# Altium PCB Layout.PcbDoc (part 4 of 4)
Units mil, origin at the board's own origin, x right, y up, seen from the top; angles counter-clockwise.
Board outline 11008.03 x 7942.91 mil, 4 copper layers (Top Layer, Mid 1, Mid 2, Bottom Layer), stack 23.712 mil thick; 525 components, 275 nets, 1569 pads, 373 vias.
Unrouted connection lines stored in the file: 16.
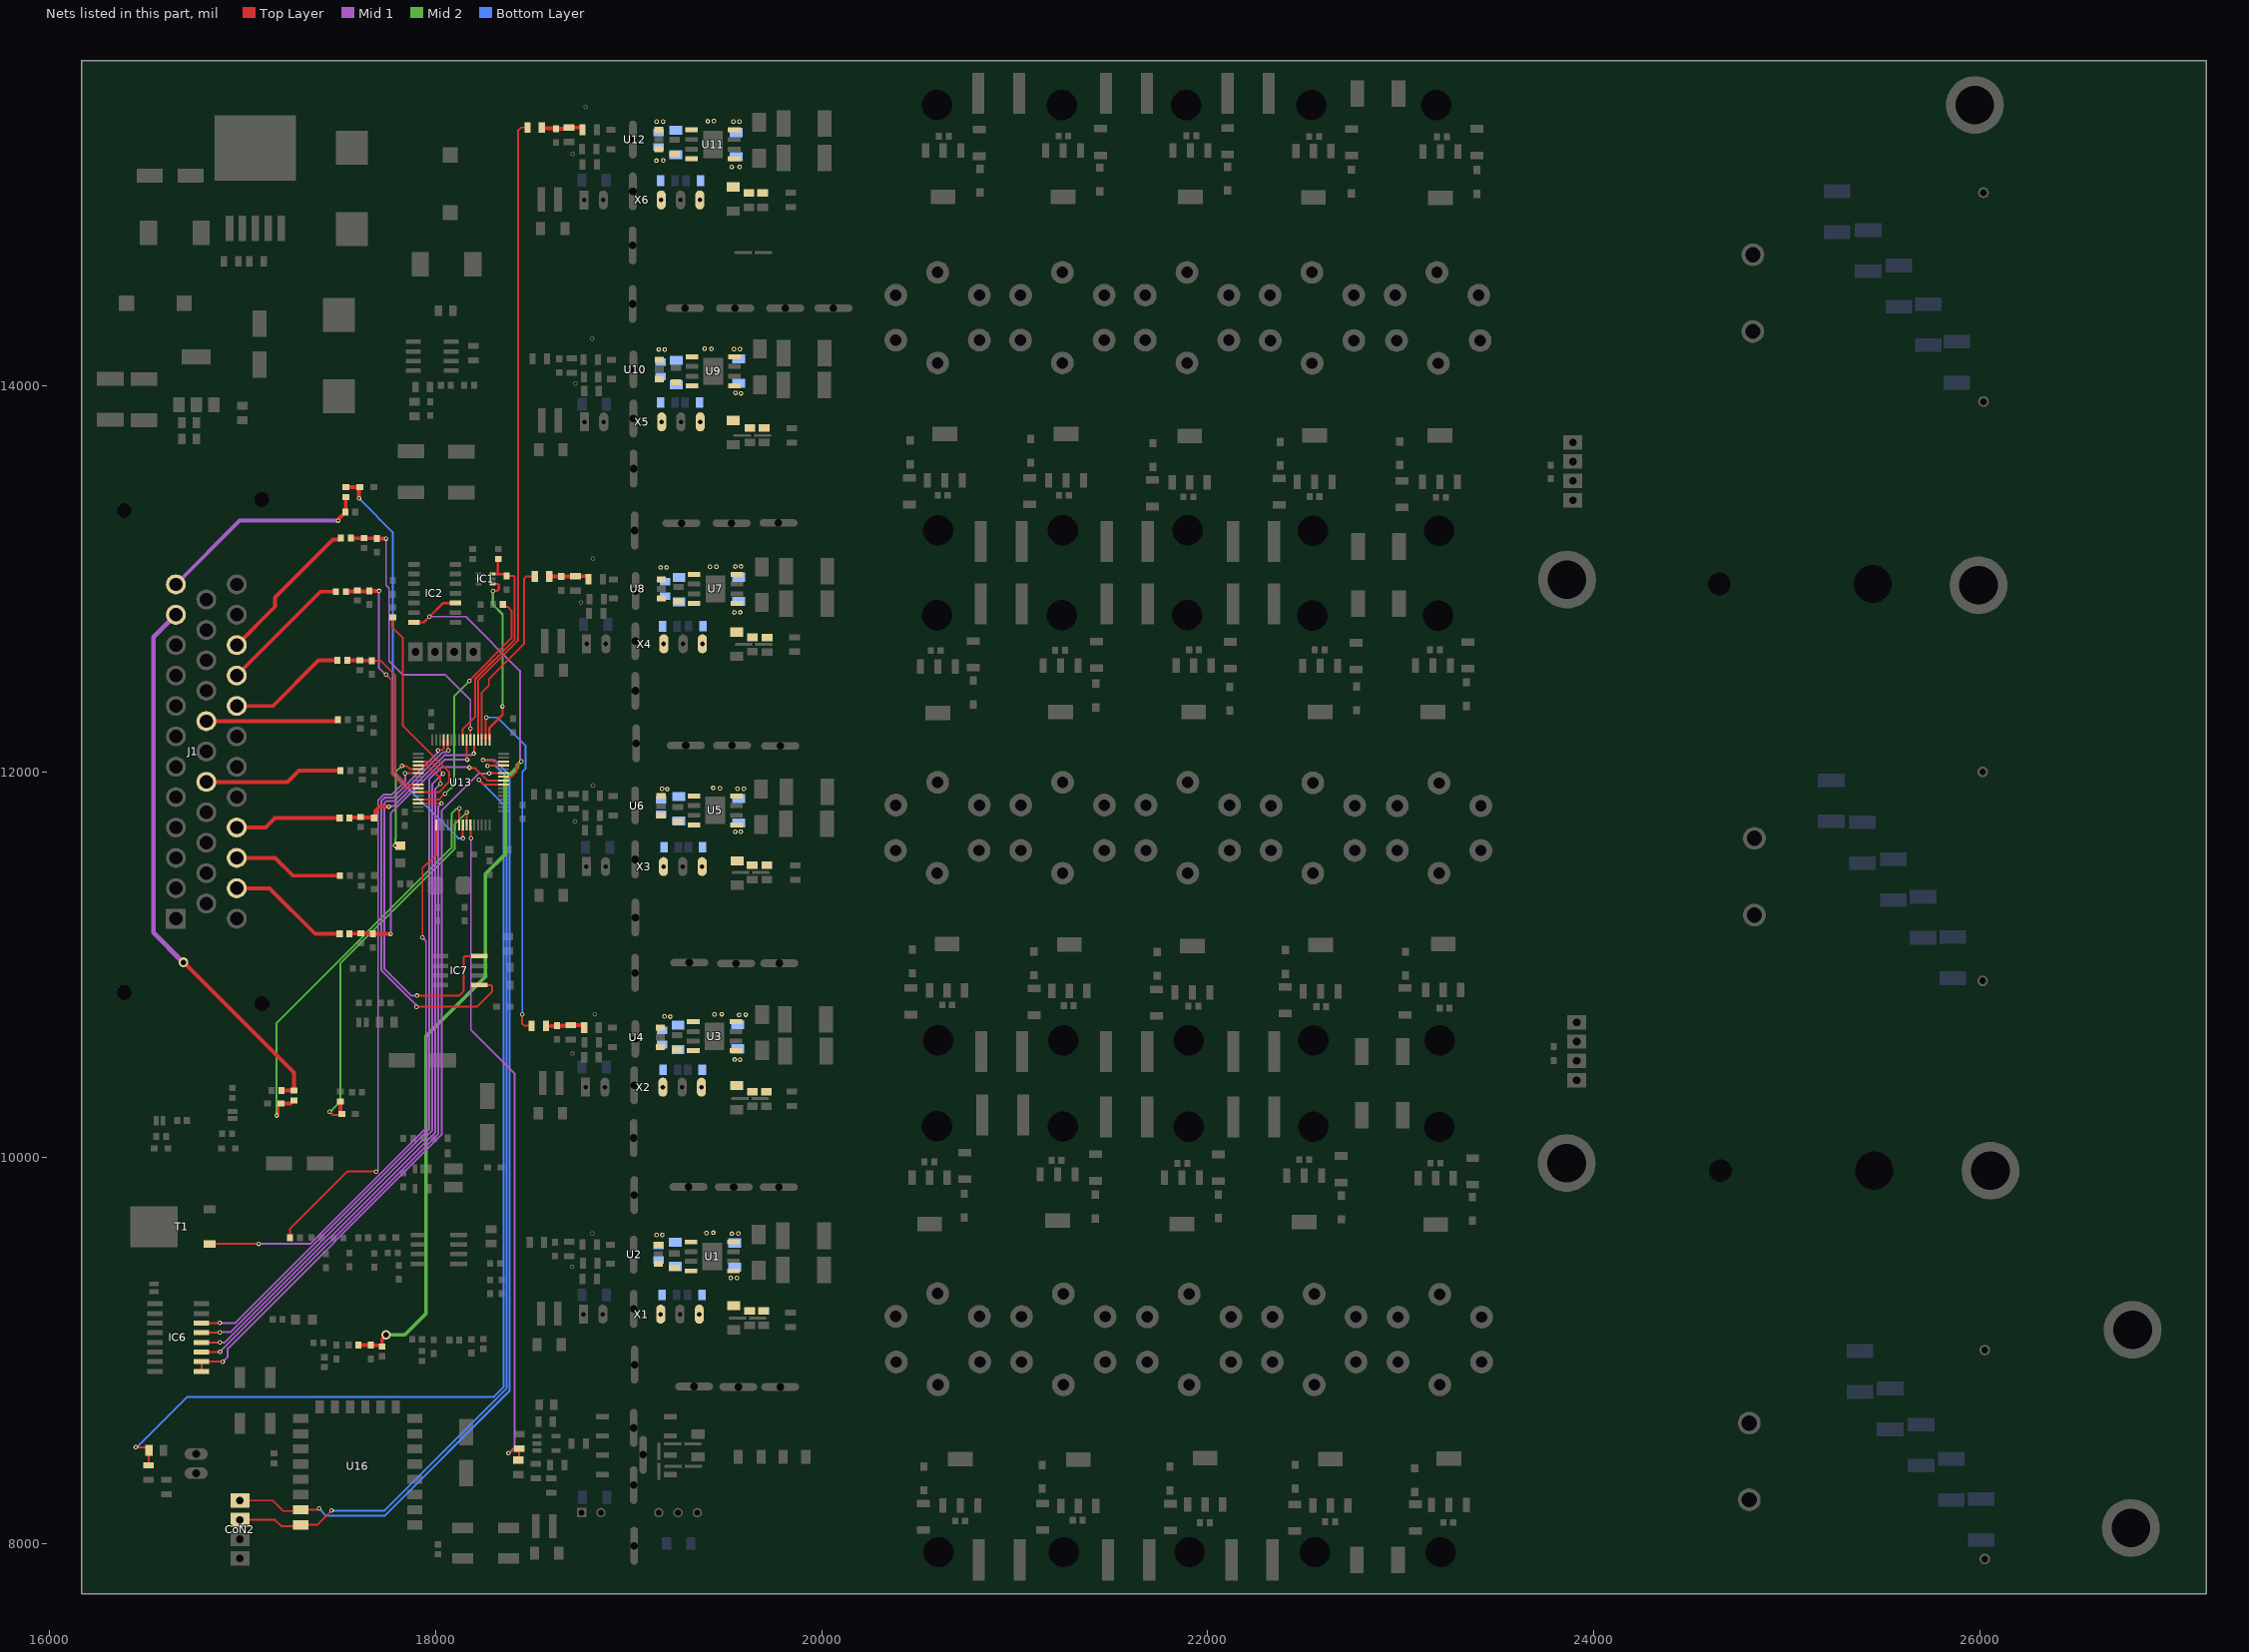
[diagram p6: the nets of this part, all layers, seen from the top]

## Via types
v1: diameter 50, hole 28, Top Layer to Bottom Layer, 129 vias
v2: diameter 23.62, hole 11.81, Top Layer to Bottom Layer, 97 vias
v3: diameter 19.68, hole 7.87, Top Layer to Bottom Layer, 72 vias
v4: diameter 25/25/25/25 (per signal layer), hole 15, Top Layer to Bottom Layer, 50 vias
v5: diameter 23.62, hole 11.81, Top Layer to Bottom Layer, tented top, 21 vias
v6: diameter 157.48, hole 157.48, Top Layer to Bottom Layer, 4 vias

## Nets (pads, with @x,y where several pads share a name; then routed paths per layer and width w, separated by ;. In a path a pad name is that pad's centre, name@x,y a point inside that pad or via, vN(x,y) a via of type N, cw(c..) or ccw(c..) an arc to the next point about the centre after c; other vN are vias at no path point) (continued)
PA11/CANRX: IC7.4 U13.44 | length 2096.6
  Top Layer w10: v2(17902.19,10840.74) 18122.12,10840.74 18145.38,10864 18145.38,11039.1 18151.24,11044.96 IC7.4@18225.58,11044.96 ; U13.44@18061.38,12165.94 18061.38,12117.95 18064.94,12114.39 v5(18064.94,12110.7)
  Mid 1 w10: v2(17902.19,10840.74) 17872.33,10840.74 17733.72,10979.36 17733.72,11839.07 17742.31,11847.66 17782.86,11847.66 18037.72,12102.52 18053.07,12102.52 18061.25,12110.7 v5(18064.94,12110.7)
PA12/CANTX: IC7.1 U13.45 | length 2148.5
  Top Layer w10: v2(17900.7,10782.7) 18212.1,10782.7 18292.14,10862.74 18292.14,10889.1 18286.28,10894.96 IC7.1@18225.58,10894.96 ; v5(18012.45,12111.07) 18015.06,12113.68 18033.12,12113.68 18041.38,12121.94 U13.45@18041.38,12165.94
  Mid 1 w10: v2(17900.7,10782.7) 17900.7,10786.39 17895.27,10791.81 17895.27,10795.19 17717.73,10972.74 17717.73,11847.88 17735.98,11866.13 17778.41,11866.13 18009.85,12097.56 18009.85,12108.47 v5(18012.45,12111.07)
PB0/ADC8: C114.2 IC2.7 IC2.10 R96.1 R98.2 U13.26 | length 4947.9
  Top Layer w10: U13.26@18351.38,11974.94 18390.71,11974.94 18419.07,12003.3 18419.07,12030.89 18421.68,12033.5 v2(18443.15,12054.97)
  Top Layer w12: IC2.7@17887.68,12774.85 17938.18,12774.85 v2(17967.68,12804.35) 18038.18,12874.85 IC2.10@18101.22,12874.85
  Top Layer w20: R96.1@17607.45,9029.33 C114.2@17662.72,9029.33 ; C114.2@17665.14,9028.92 17680.64,9028.92 ; 17680.65,9028.93 17713.78,9028.93 17719.69,9023.03 R98.2@17721.66,9023.03 ; R98.2@17721.66,9028.78 17721.66,9057.66 17743.21,9079.22 v1(17743.21,9083.24)
  Mid 1 w10: v2(17967.68,12804.35) 18155.44,12804.35 18436.34,12523.45 18436.34,12065.47 18443.15,12058.66 v2(18443.15,12054.97)
  Mid 2 w20: v1(17743.21,9083.24) 17839.3,9083.24 17949.39,9193.33 17949.39,10630.86 18257.17,10938.65 18257.17,11470.81 18358.62,11572.26 18358.62,11959.31 18421.68,12022.38 18421.68,12033.5 v2(18443.15,12054.97)
PB1/ADC9: IC6.1 IC6.2 U13.27 | length 3886.5
  Top Layer w10: IC6.1@16786.35,8893.9 IC6.2@16786.35,8943.9 16786.52,8943.73 16895.59,8943.73 v2(16895.76,8943.56) ; v5(18276.34,11992.43) 18277.35,11993.44 18350.88,11993.44 U13.27@18351.38,11993.94
  Mid 1 w10: v2(16895.76,8943.56) 16922.24,8970.03 16922.24,9011.81 18030.47,10120.04 18030.47,11798.72 18223.08,11991.33 18275.24,11991.33 v5(18276.34,11992.43)
PB5: C124.2 R102.2 R117.2 U13.57 | length 929.6
  Top Layer w10: C124.2@17669.56,12575.79 17714.41,12575.79 17790.84,12499.36 17790.84,11995.1 17850.5,11935.44 17908.88,11935.44 U13.57@17909.38,11934.94
  Top Layer w20: R102.2@17541.47,12577.76 R117.2@17606.56,12577.76 17607.55,12576.77 17668.57,12576.77 C124.2@17669.56,12575.79
PB6/TIM4_CH1: C123.2 R103.2 R116.2 U13.58 | length 1319.4
  Top Layer w10: v2(17742.69,12504.1) 17772.86,12473.93 17772.86,11987.71 17845.63,11914.94 U13.58@17909.38,11914.94
  Top Layer w20: R103.2@17534.71,12933.77 17536.68,12935.74 17653.23,12935.74 17655.32,12937.84 17705.48,12937.84 v2(17705.6,12937.97)
  Mid 1 w10: v2(17705.6,12937.97) 17705.6,12537.71 17739.22,12504.1 v2(17742.69,12504.1)
PB7/TIM4_CH2: R45.1 U13.59 | length 1144.3
  Top Layer w10: R45.1@17777.29,12789.6 17777.29,12748.3 17828.75,12696.84 17828.75,12239.63 18069.22,11999.15 18069.22,11947.29 18017.87,11895.94 U13.59@17909.38,11895.94
PB8/TIM4_CH3: R47.1 U13.61 | length 1302.6
  Top Layer w10: U13.61@17909.38,11855.94 18016.42,11855.94 18045.98,11885.5 v5(18047.93,11885.5) ; v2(18174.45,12471.28) 18174.45,12473.88 18392.52,12691.95 18392.52,12834.98 18372.35,12855.15 18358.42,12855.15 18347.67,12865.9 R47.1@18347.67,12867.87
  Mid 2 w10: v5(18047.93,11885.5) 18096.2,11933.76 18096.2,12393.02 v2(18174.45,12471.28)
PB9/TIM4_CH4: IC6.3 U13.62 | length 3534.6
  Top Layer w10: IC6.3@16786.35,8993.9 16787.2,8994.74 16881.67,8994.74 v2(16882.51,8995.59) ; U13.62@17909.52,11837.08 v5@18029.8,11837.08
  Mid 1 w10: v2(16882.51,8995.59) 18013.31,10126.38 18013.31,11820.59 v5(18030.32,11837.6)
PB10/USART3_TX: CoN2.2 U13.29 U16.22 | length 5066.2
  Top Layer w10: CoN2.2@16985.24,8124.33 17166.8,8124.33 17199.59,8091.54 17293.92,8091.54 U16.22@17300.44,8098.06 17385.46,8098.06 v5(17459.65,8172.24) ; v5(18268.47,12031.29) 18300,12031.29 18302.64,12033.94 U13.29@18351.38,12033.94
  Bottom Layer w10: v5(17459.65,8172.24) 17734.25,8172.24 18366.87,8804.86 18366.87,11974.44 18310.02,12031.29 v5(18268.47,12031.29)
PB11/USART3_RX: CoN2.1 U13.30 U16.21 | length 5164
  Top Layer w10: CoN2.1@16985.24,8224.33 17156.57,8224.33 17210.61,8170.29 17293.93,8170.29 U16.21@17300.44,8176.8 17386.5,8176.8 17392.36,8182.65 v5(17396.04,8182.65) ; v5(18243.58,12061.01) 18293.59,12061.01 18301.66,12052.94 U13.30@18334.84,12052.94
  Bottom Layer w10: v5(17396.04,8182.65) 17433.26,8145.43 17733.63,8145.43 18382.86,8794.66 18382.86,11982.96 18304.81,12061.01 v5(18243.58,12061.01)
PB12/TIM1_BKIN: IC1.4 U13.33 | length 911
  Top Layer w12: U13.33@18278.38,12165.94 18278.38,12228.94 18345.83,12296.38 v2(18345.83,12339.53) ; IC1.4@18294.77,12973.99 18320.35,12973.99 18327.38,12966.96 18327.38,12945.92 18320.17,12938.71 18298.23,12938.71 v2(18296,12936.49)
  Mid 2 w12: v2(18296,12936.49) 18296,12866.39 18345.83,12816.56 v2(18345.83,12339.53)
PC0/ADC10: C126.2 R121.2 U13.8 | length 2225
  Top Layer w10: v2(17175.05,10219.57) 17175.05,10223.26 17186.1,10234.31 17186.1,10270.75 17196.85,10281.5 C126.2@17198.82,10281.5 ; U13.8@18120.38,11723.94 18120.38,11808.32 v5(18122.78,11810.72)
  Top Layer w20: C126.2@17198.82,10281.5 17246.36,10281.5 17262.81,10297.95 R121.2@17264.78,10297.95
  Mid 2 w10: v2(17175.05,10219.57) 17175.05,10699.36 18081.38,11605.69 18081.38,11782.74 18107.11,11808.47 18120.53,11808.47 v5(18122.78,11810.72)
PC1/ADC11: C129.2 R127.2 U13.9 | length 2200.2
  Top Layer w10: v2(18140.37,11655.31) U13.9@18140.38,11723.94
  Top Layer w20: R127.2@17534.71,13474.47 C129.2@17607.43,13474.47 ; v2(17601.68,13417.2) 17601.68,13468.73 C129.2@17607.43,13474.47 ; C129.2@17607.55,13474.47 C129.2@17607.43,13474.47
  Bottom Layer w10: v2(17601.68,13417.2) 17620.99,13397.89 17777.29,13241.59 17777.29,11994.39 18116.37,11655.31 v2(18140.37,11655.31)
PC2/ADC12: C127.2 R124.2 U13.10 | length 2053.8
  Top Layer w10: v2(17450.85,10238.96) 17450.85,10237.61 17465.2,10223.26 17510,10223.26 C127.2@17513.19,10226.45 ; U13.10@18160.35,11723.97 v5(18160.32,11790.9)
  Top Layer w20: R124.2@17508.51,10292.49 R124.2@17506.54,10292.49 17506.54,10232.19 17512.29,10226.45 C127.2@17513.19,10226.45
  Mid 2 w10: v2@17452.76,10239.45 17504.83,10291.52 17504.83,11006.53 18097.36,11599.07 18097.36,11727.94 v5(18160.32,11790.9)
PC3/ADC13: C109.2 R89.2 U13.11 | length 3493.2
  Top Layer w8: U13.11@18179.38,11723.94 18180.69,11722.62 18180.69,11657.21 v2(18182,11655.9) ; v2(18376.91,8470.03) 18381.13,8470.03 18392.96,8481.85 18419.67,8481.85 R89.2@18431.18,8493.35
  Top Layer w12: C109.2@18424.66,8431.98 18431.18,8438.5 R89.2@18431.18,8493.35
  Mid 1 w10: v2(18182,11655.9) 18182,10663.31 18407.8,10437.51 18407.8,8498.68 v2@18375.75,8466.63
PC4/ADC14: C116.2 R101.2 U13.24 | length 5524.1
  Top Layer w10: v2(16445.63,8500.51) 16498.75,8500.51 16513.44,8485.83 C116.2@16513.44,8484 16513.44,8409.2 R101.2@16511.47,8407.23 ; v5(18222.68,11958.2) 18245.95,11934.94 U13.24@18351.38,11934.94
  Bottom Layer w10: v2@16448.97,8497.99 16713.01,8762.03 18301.43,8762.03 18350.89,8811.48 18350.89,11831.42 18224.11,11958.2 v5(18222.68,11958.2)
PC5/ADC15: IC6.6 U13.25 | length 3848.6
  Top Layer w10: IC6.6@16786.35,9143.9 16786.67,9144.21 16880.05,9144.21 v2(16880.36,9144.52) ; v5(18175.39,12021.97) 18177.93,12019.43 18202.2,12019.43 18266.69,11954.94 U13.25@18351.38,11954.94
  Mid 1 w10: v2(16880.36,9144.52) 16961.92,9144.52 17965.35,10147.95 17965.35,11960.25 18029.57,12024.46 18172.89,12024.46 v5(18175.39,12021.97)
PC6: C119.2 R107.2 R112.2 U13.37 | length 875.3
  Top Layer w10: v5(18196.62,12094.67) 18198.88,12096.93 18198.88,12165.44 U13.37@18199.38,12165.94
  Top Layer w20: R107.2@17552.99,11761.13 17554.95,11763.09 17608.61,11763.09 R112.2@17610.58,11765.06 17612.55,11763.09 17678.25,11763.09 C119.2@17680.22,11761.13 17685.97,11766.87 17685.97,11797.3 17708.59,11819.92 v2(17756.51,11819.92)
  Mid 1 w10: v2(17756.51,11819.92) 17759.12,11822.52 17782.42,11822.52 18046.12,12086.23 18184.49,12086.23 18192.93,12094.67 v5(18196.62,12094.67)
PC7: C118.2 R108.2 R111.2 U13.38 | length 1534.8
  Top Layer w10: U13.38@18179.38,12165.94 v2(18179.38,12225.04)
  Top Layer w20: R108.2@17560.3,13211.09 17561.41,13209.99 17694.04,13209.99 C118.2@17695.15,13208.88 17695.32,13208.71 17741.63,13208.71 v2(17741.8,13208.54) ; R111.2@17628.45,13211.09 R111.2@17628.52,13211.01
  Mid 1 w10: v2@17742.51,13208.88 17742.51,12967.78 17757.97,12952.32 17757.97,12575.33 17831.35,12501.94 18050.18,12501.94 18179.38,12372.74 v2(18179.38,12225.04)
PC8: C117.2 R109.2 R110.2 U13.39 | length 1444.6
  Top Layer w10: U13.39@18160.38,12165.94 18160.88,12165.44 18160.88,12064.87 v5(18162.94,12062.81)
  Top Layer w20: R109.2@17552.98,11160.32 17554.8,11162.14 17610.67,11162.14 R110.2@17612.48,11163.95 C117.2@17663.1,11163.95 ; C117.2@17673.42,11160.64 17673.53,11160.53 17766.55,11160.53 v2(17766.65,11160.43)
  Mid 1 w10: v2(17766.65,11160.43) 17766.65,11784.16 18045.31,12062.81 v5(18162.94,12062.81)
PC9: C70.2 IC1.6 R46.1 U13.40 | length 1148.5
  Top Layer w10: U13.40@18140.38,12165.94 18140.38,12221.68 18203.48,12284.78 18203.48,12479.69 18408.97,12685.18 18408.97,13009.81 18403.11,13015.67 18373.23,13015.67 C70.2@18365.61,13023.29 ; C70.2@18367.79,13025.28 C70.2@18368.73,13024.34
  Top Layer w12: IC1.6@18294.77,13025.17 18316.69,13025.17 18321.88,13030.36 R46.1@18321.88,13096.26 ; 18316.69,13024.23 C70.2@18364.67,13024.23
PC10: IC6.5 U13.51 | length 3658.1
  Top Layer w10: IC6.5@16786.35,9093.9 16787.64,9095.18 16879.36,9095.18 v2(16880.64,9096.46) ; U13.51@17909.38,12052.94 17976.52,12052.94 18038.18,11991.28 v5(18038.18,11988.94)
  Mid 1 w10: v2(16880.64,9096.46) 16936.47,9096.46 17981.34,10141.33 17981.34,11934.57 18035.7,11988.94 v5(18038.18,11988.94)
PC11: IC6.4 U13.52 | length 3647.6
  Top Layer w10: IC6.4@16786.35,9043.9 v2(16881.67,9043.9) ; U13.52@17909.38,12033.94 17955.27,12033.94 18023.75,11965.45 v5(18023.75,11938.13)
  Mid 1 w10: v2(16881.67,9043.9) 16907.2,9043.9 17997.32,10134.02 17997.32,11910.83 18023.75,11937.26 v5(18023.75,11938.13)
PC12: D7.C U13.53 | length 546.1
  Top Layer w10: v2(17789.45,11618.55) 17791.14,11616.86 D7.C@17815.31,11616.86 ; v2(17824.17,12031.29) 17826,12029.46 17850.98,12029.46 17866,12014.44 17908.88,12014.44 U13.53@17909.38,12013.94
  Mid 2 w10: v2(17789.45,11618.55) 17790.03,11619.13 17790.03,11650.36 17792.27,11652.59 17792.27,11999.39 v2(17824.17,12031.29)
PC13: T1.1 U13.2 | length 2976.8
  Top Layer w10: T1.1@16827.76,9553.94 16828.43,9554.62 v2(17082.68,9554.62) ; v2(17931.13,11141.98) 17931.13,11500.65 18002.38,11571.9 U13.2@18002.38,11723.94
  Mid 1 w10: v2(17082.68,9554.62) 17349.41,9554.62 17949.37,10154.57 17949.37,11122.3 17931.13,11140.55 v2(17931.13,11141.98)
PD2/TIM3_ETR: R49.2 U13.54 | length 2838.8
  Top Layer w10: R49.2@17245.01,9586.5 17245.01,9632.9 17541.46,9929.34 v2(17690.91,9929.34) ; v2(17841.23,11992.85) 17841.81,11993.44 17908.88,11993.44 U13.54@17909.38,11993.94
  Mid 1 w10: v2@17689.5,9925.43 17700.98,9936.9 17700.98,11853.73 17729.36,11882.11 17771.43,11882.11 17816.78,11927.46 17817.14,11927.46 17841.23,11951.54 v2(17841.23,11992.85)
SIG_BMS: J1.25 R109.1 | length 631.2
  Top Layer w20: J1.25@16968.5,11396.65 17138.57,11396.65 17374.9,11160.32 R109.1@17501.8,11160.32
SIG_BRAKE: J1.17 R104.1 | length 719.4
  Top Layer w20: J1.17@16811.02,11947.83 17231.97,11947.83 17290.35,12006.22 R104.1@17506.23,12006.21
SIG_CRUISE: J1.31 R102.1 | length 619.6
  Top Layer w20: J1.31@16968.5,12341.54 17156.36,12341.54 17392.58,12577.76 R102.1@17490.29,12577.76
SIG_EMCYSTOP: J1.33 R108.1 | length 809
  Top Layer w10: J1.33@16976.62,12630.16 J1.33@16976.62,12639.35
  Top Layer w20: J1.33@16968.5,12656.5 17167.82,12855.81 17167.82,12904.09 17467.1,13203.37 17503.37,13203.37 17509.12,13209.12 R108.1@17509.12,13211.09
SIG_FORWARD: J1.26 R106.1 | length 573
  Top Layer w20: J1.26@16968.5,11554.13 17167.62,11554.13 17259.52,11462.24 R106.1@17503.39,11462.24
SIG_MPROT: J1.19 R105.1 | length 687
  Top Layer w20: J1.19@16811.02,12262.8 17487.07,12262.8 17493.42,12269.14 R105.1@17493.42,12271.11
SIG_REVERSE: J1.27 R107.1 | length 553.8
  Top Layer w20: J1.27@16968.5,11711.61 17118.11,11711.61 17167.62,11761.13 R107.1@17501.8,11761.13
SIG_START: J1.32 R103.1 | length 695.1
  Top Layer w20: J1.32@16968.5,12499.02 17403.26,12933.77 R103.1@17483.53,12933.77
THROTTLE1: J1.12 R127.1 R128.2 | length 1115.9
  Top Layer w20: v2(17494.41,13301.77) 17495.1,13302.47 17495.1,13308.88 17531.03,13344.81 R128.2@17531.03,13346.78 17532.87,13348.62 17532.87,13421.45 R127.1@17534.71,13423.29
  Mid 1 w20: J1.12@16653.54,12971.46 16983.86,13301.77 v2(17494.41,13301.77)
THROTTLE2: J1.11 R121.1 R123.2 | length 2886.1
  Top Layer w20: J1.11@16654.53,12806.1 J1.11@16661.42,12806.1 ; v1(16692.84,11013.14) 17264.78,10441.19 R121.1@17264.78,10349.13 R123.2@17200.64,10349.13
  Mid 1 w25: J1.11@16653.54,12813.98 16537.57,12698.01 16537.57,11166.78 16691.22,11013.14 v1(16692.84,11013.14)
TIM1_CH1N: R64.1 U13.34 | length 1882.9
  Top Layer w10: U13.34@18258.38,12165.94 18258.38,12274.84 18261.8,12278.27 v2(18261.8,12281.95) ; v2(18447.92,10742.92) 18447.92,10694.56 18458.47,10684.01 R64.1@18496.25,10684.01
  Bottom Layer w10: v2(18261.8,12281.95) 18318.74,12281.95 18465.95,12134.75 18465.95,12017.72 18448.49,12000.26 18448.49,10743.49 v2(18447.92,10742.92)
TIM1_CH1N-Filtered: C87.2 R8.1 R64.2 R67.2 | length 182.7
  Top Layer w20: 18596.64,10682.05 18597.15,10682.55 18653.25,10682.55 18654.83,10684.13 R67.2@18699.86,10684.13 ; R67.2@18699.86,10687.17 18763.34,10687.17 18769.09,10681.42 R8.1@18769.09,10674.37
TIM1_CH2N: R65.1 U13.35 | length 986
  Top Layer w10: U13.35@18238.38,12165.94 18238.38,12410.4 18275.01,12447.03 18275.01,12479.98 18458.47,12663.44 18458.47,13001.49 18469.78,13012.8 R65.1@18513.02,13012.8
TIM1_CH2N-Filtered: C88.2 R22.1 R65.2 R68.2 | length 216.6
  Top Layer w20: R65.2@18587.83,13012.8 18588.36,13012.26 18649.53,13012.26 C88.2@18650.06,13011.72 18651.05,13012.71 18722.9,13012.71 R68.2@18723.88,13013.69 18784.92,13013.69 18790.67,13007.94 R22.1@18790.67,12997.84
TIM1_CH3N: R66.1 U13.36 | length 3296.9
  Top Layer w10: U13.36@18219.38,12165.94 18219.38,12280.95 18219.47,12281.04 18219.47,12472.37 18426.18,12679.08 18426.18,15321.88 18442.79,15338.48 R66.1@18474.57,15338.48
TIM1_CH3N-Filtered: C89.2 R36.1 R66.2 R69.2 | length 210.3
  Top Layer w20: R66.2@18549.37,15338.48 R66.2@18551.21,15336.64 ; R66.2@18564.01,15333.69 18620.22,15333.69 C89.2@18622.06,15331.85 18671.95,15331.85 18678.55,15338.45 R69.2@18690.36,15338.45 18754.09,15338.45 18759.84,15332.71 R36.1@18759.84,15326.73
VccH: C1.2 C5.2 C6.2 C7.2 pad.6@19143.6,9600.89 pad.6@19173.52,9600.48 pad.6@19402.72,9610.99 pad.6@19437.88,9612.21 pad.6@19533.64,9606.99 pad.6@19567.83,9608.62 U1.1 U1.8 U2.5 X1.7
VccH1: C21.2 C25.2 C26.2 C27.2 pad.6@19171.82,11912.24 pad.6@19199.44,11910.68 pad.6@19437.05,11916.41 pad.6@19473.01,11915.37 pad.6@19563.16,11912.77 pad.6@19595.99,11912.24 U5.1 U5.8 U6.5 X3.7
VccH2: C41.2 C45.2 C46.2 C47.2 pad.6@19155.22,14188.5 pad.6@19186.31,14188.21 pad.6@19393,14192.24 pad.6@19428.19,14191.73 pad.6@19544.97,14190.71 pad.6@19576.59,14190.71 U9.1 U9.8 U10.5 X5.7
VccL: C11.2 C15.2 C16.2 C17.2 pad.6@19185.13,10733.6 pad.6@19214.6,10731.49 pad.6@19444.01,10743.36 pad.6@19481.52,10744.32 pad.6@19571.64,10740.29 pad.6@19605.7,10741.49 U3.1 U3.8 U4.5 X2.7
VccL1: C31.2 C35.2 C36.2 C37.2 pad.6@19165.38,13059.09 pad.6@19195.17,13059.09 pad.6@19420.35,13062.45 pad.6@19454.29,13063.21 pad.6@19552.33,13063.96 pad.6@19581.64,13064.46 U7.1 U7.8 U8.5 X4.7
VccL2: C51.2 C55.2 C56.2 C57.2 pad.6@19144.36,15368.79 pad.6@19178.29,15368.79 pad.6@19409.21,15370.78 pad.6@19440.74,15372.44 pad.6@19541.63,15368.79 pad.6@19573.12,15368.79 U11.1 U11.8 U12.5 X6.7
VeeH: C4.1 C5.1 C6.1 C7.1 C8.2 C9.2 C10.1 pad.6@19528.26,9378.27 pad.6@19559.72,9377.76 R2.1 U1.4 U1.5 U2.3 X1.5
VeeH1: C24.1 C25.1 C26.1 C27.1 C28.2 C29.2 C30.1 pad.6@19551.59,11689.6 pad.6@19580,11690.11 R16.1 U5.4 U5.5 U6.3 X3.5
VeeH2: C44.1 C45.1 C46.1 C47.1 C48.2 C49.2 C50.1 pad.6@19552.71,13963.74 pad.6@19581.36,13961.01 R30.1 U9.4 U9.5 U10.3 X5.5
VeeL: C14.1 C15.1 C16.1 C17.1 C18.2 C19.2 C20.1 pad.6@19548.66,10509.48 pad.6@19576.57,10508.97 R10.1 U3.4 U3.5 U4.3 X2.5
VeeL1: C34.1 C35.1 C36.1 C37.1 C38.2 C39.2 C40.1 pad.6@19546.77,12826.06 pad.6@19577.71,12826.53 R24.1 U7.4 U7.5 U8.3 X4.5
VeeL2: C54.1 C55.1 C56.1 C57.1 C58.2 C59.2 C60.1 pad.6@19143.17,15167.04 pad.6@19178.81,15168.37 pad.6@19533.38,15133.98 pad.6@19574.2,15134.69 R38.1 U11.4 U11.5 U12.3 X6.5
pads on no net: *1.5 *1.6 *2.5 *2.6 CoN3.2 CoN4.2 IC3.3 IC3.5 IC3.6 IC7.5 J1. J1.18 J1.20 J1.21 J1.22 J1.28 J1.29 J1.30 J1.34 PS1.6 Q2.4 Q3.4 Q4.4 Q5.4 Q6.4 Q7.4 Q8.4 Q9.4 Q10.4 Q11.4 Q12.4 Q13.4 Q14.4 Q15.4 Q16.4 Q17.4 Q18.4 Q19.4 Q20.4 Q21.4 Q22.4 Q23.4 Q24.4 Q25.4 Q26.4 Q27.4 Q28.4 Q29.4 Q30.4 Q31.4 U1.3 U1.9 U3.3 U3.9 U5.3 U5.9 U7.3 U7.9 U9.3 U9.9 U11.3 U11.9 U13.3 U13.4 U13.14 U13.28 U13.50 U13.55 U13.56 U16.2 U16.4 U16.5 U16.6 U16.7 U16.9 U16.10 U16.11 U16.12 U16.13 U16.14 U16.16 U16.17 U16.19 U16.20
copper on no net: | length 15.6
  Top Layer w25: 16811.02,12420.28 16811.02,12435.87
  other v3: 19389.76,9424.02 19433.07,9424.02 19476.38,9424.02 19389.76,9467.32 19433.07,9467.32 19476.38,9467.32 19389.76,9510.63 19433.07,9510.63 19476.38,9510.63 19389.76,9553.94 19433.07,9553.94 19476.38,9553.94 19400.97,10564.95 19444.28,10564.95 19487.59,10564.95 19400.97,10608.26 19444.28,10608.26 19487.59,10608.26 19400.97,10651.56 19444.28,10651.56 19487.59,10651.56 19400.97,10694.87 19444.28,10694.87 19487.59,10694.87 19404.41,11734.95 19447.72,11734.95 19491.02,11734.95 19404.41,11778.26 19447.72,11778.26 19491.02,11778.26 19404.41,11821.57 19447.72,11821.57 19491.02,11821.57 19404.41,11864.88 19447.72,11864.88 19491.02,11864.88 19405.93,12882.88 19449.23,12882.88 19492.54,12882.88 19405.93,12926.18 19449.23,12926.18 19492.54,12926.18 19405.93,12969.49 19449.23,12969.49 19492.54,12969.49 19405.93,13012.8 19449.23,13012.8 19492.54,13012.8 19394.83,14010.34 19438.13,14010.34 19481.44,14010.34 19394.83,14053.65 19438.13,14053.65 19481.44,14053.65 19394.83,14096.96 19438.13,14096.96 19481.44,14096.96 19394.83,14140.26 19438.13,14140.26 19481.44,14140.26 19392.7,15186.38 19436,15186.38 19479.31,15186.38 19392.7,15229.68 19436,15229.68 19479.31,15229.68 19392.7,15272.99 19436,15272.99 19479.31,15272.99 19392.7,15316.3 19436,15316.3 19479.31,15316.3
  other v6: 16355.32,7945.92 26969.49,8616.14 16295.76,15106.3 26886.81,15446.85
